# Altium PCB BEAGLEPLAYV020_220915.brd.PcbDoc (part 3 of 12) (continued)
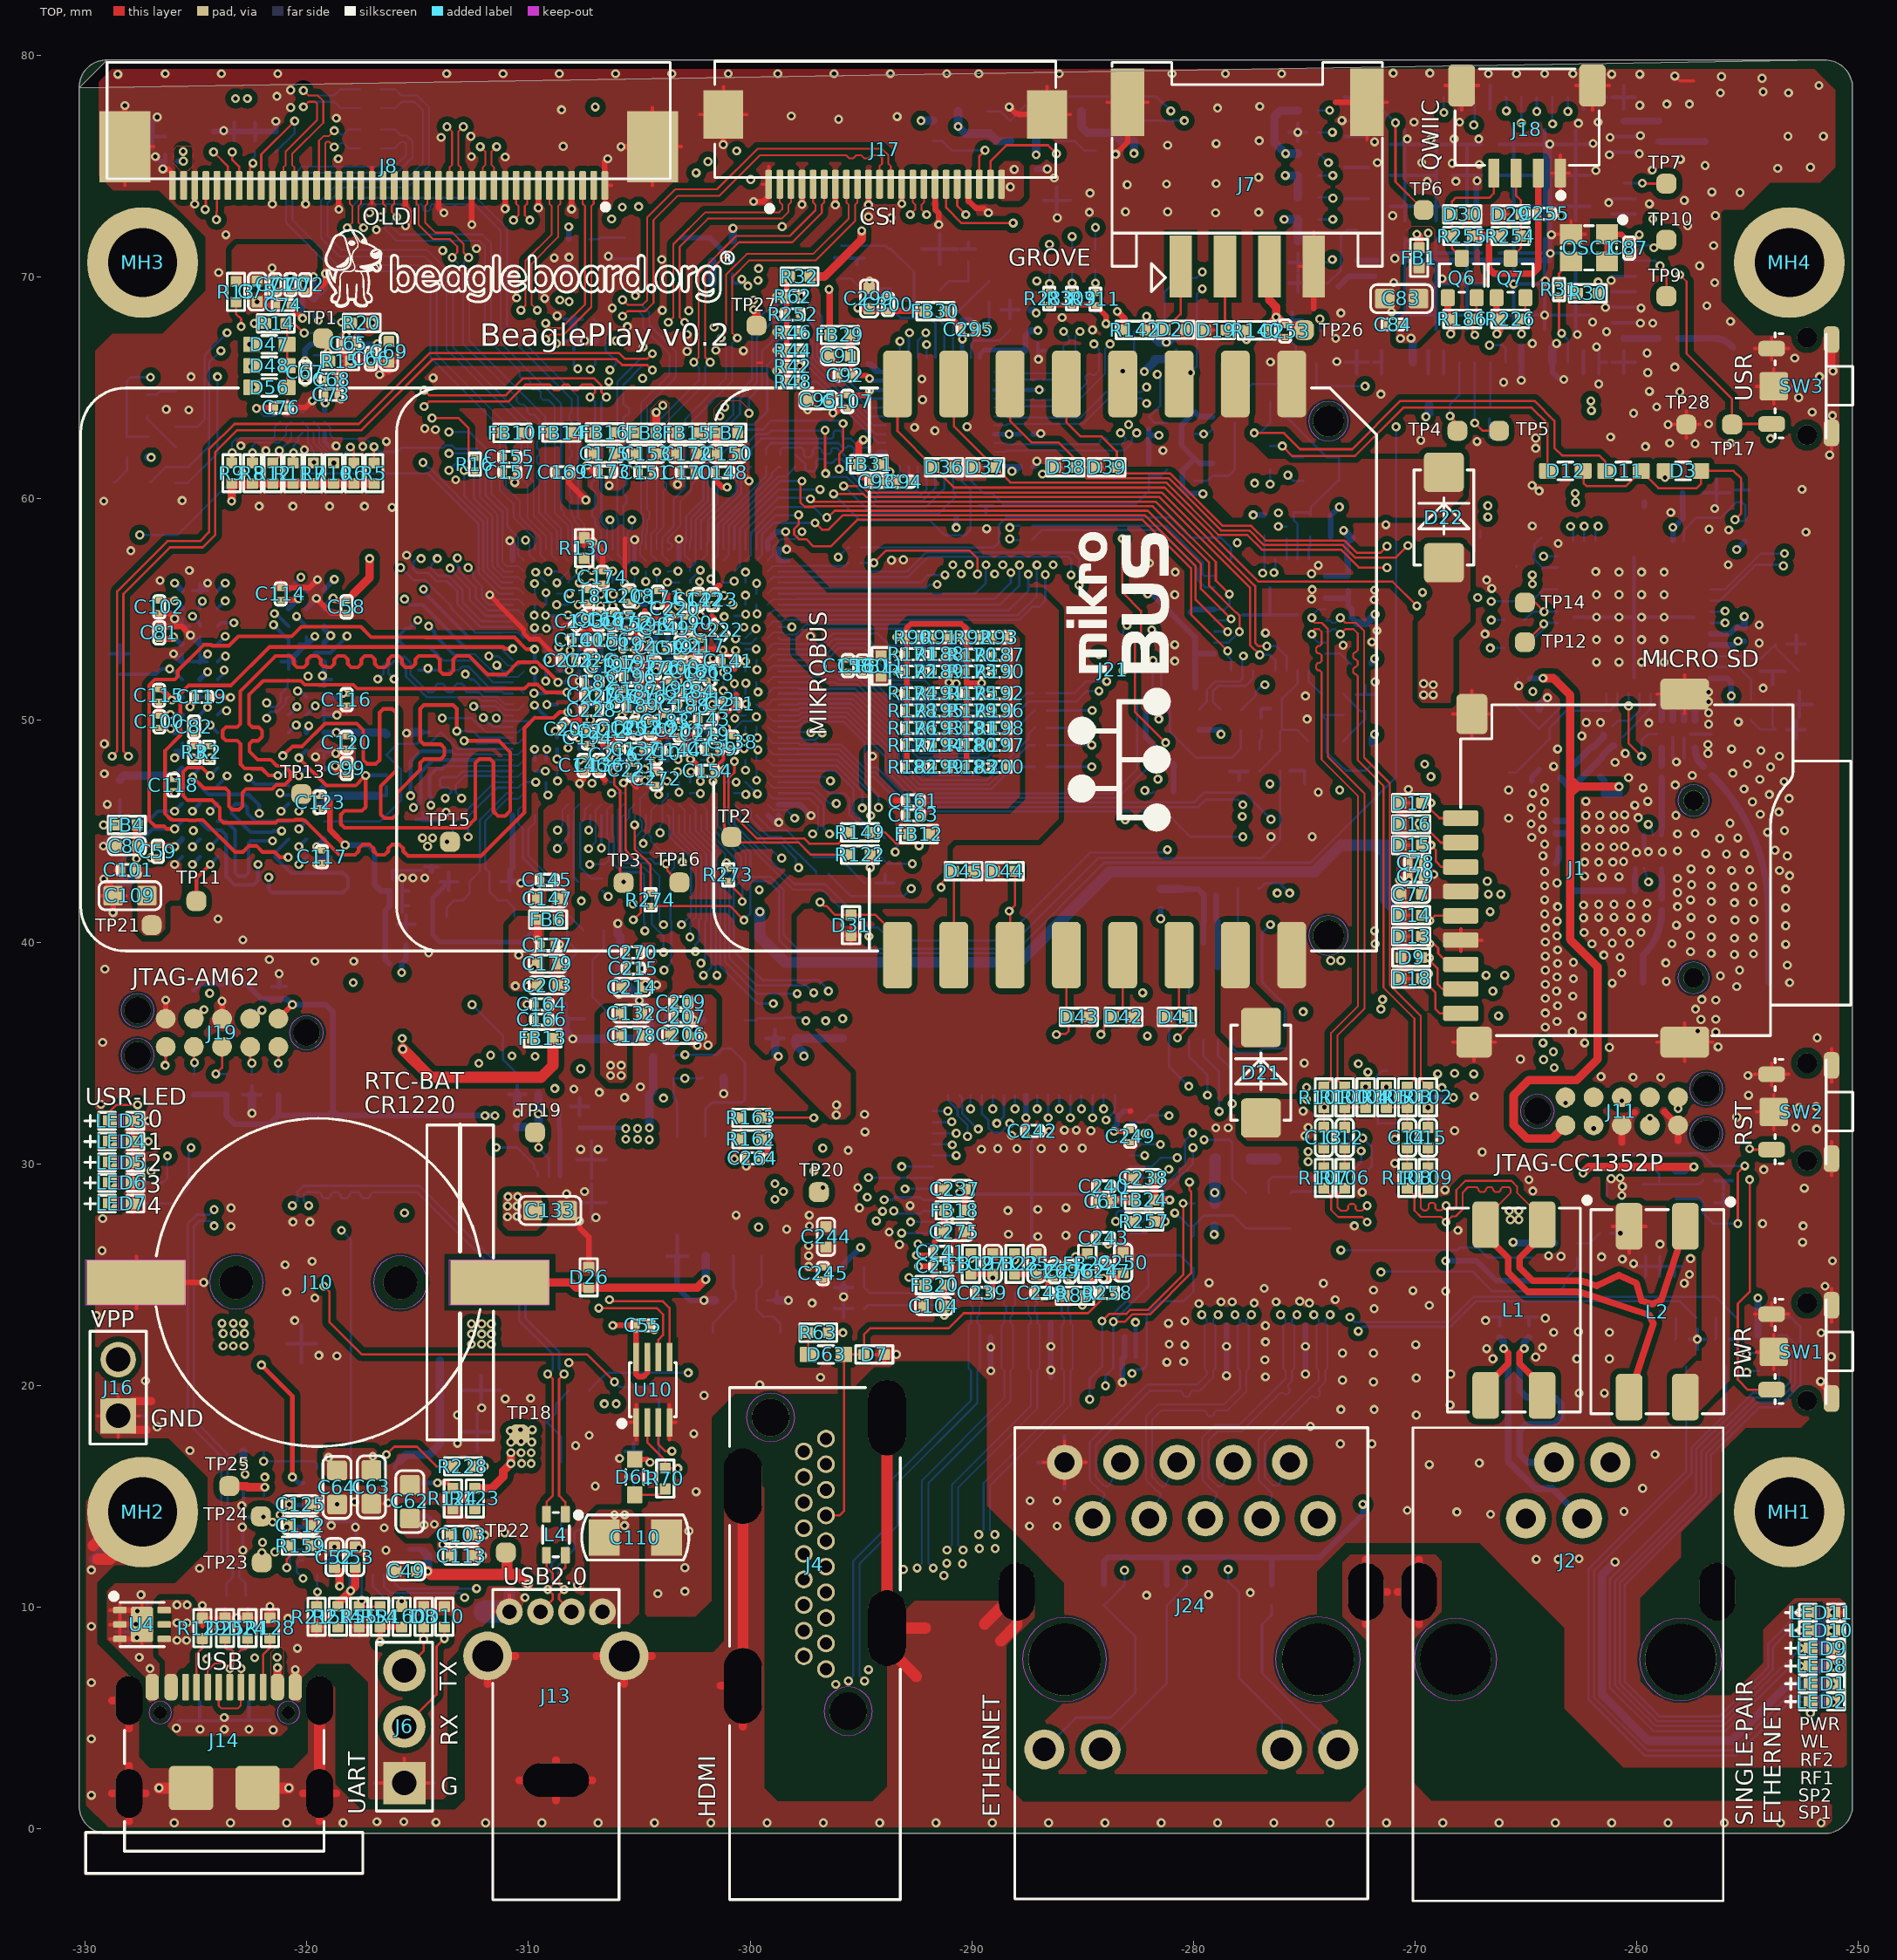
[diagram p0: TOP view]
## Footprints (in the part's own frame and the unit in brackets; to place one, negate y for a bottom-side part, rotate by r counter-clockwise, add the part's x,y. Pads: shape width x height; smd on the part's side, far side on the other; paste and mask are expansions set on the pad) (continued)
  rrect67% 1.2x0.6 smd: B1(3.733,-3.136) B4(3.733,-2.337) B9(3.733,2.464) B12(3.733,3.313)
  oval 2.2x1.2 hole 1.2 slot 2.2 at 0 deg: S1(-1.067,4.363) S2(3.133,4.363) S3(-1.067,-4.236) S4(3.133,-4.236)
  rrect20% 2x2 smd: S5(-0.817,1.564) S6(-0.817,-1.437)
  round 0.6 hole 0.6 unplated: ""(2.583,2.954) ""(2.583,-2.827)
  Multi-Layer keep-out region: 2.583,-3.336 2.778,-3.298 2.944,-3.187 3.054,-3.022 3.093,-2.826 3.054,-2.631 3.017,-2.576 3.017,-2.576 2.944,-2.466 2.778,-2.355 2.583,-2.317 2.388,-2.355 2.222,-2.466 2.149,-2.576 2.149,-2.576 2.112,-2.631 2.073,-2.826 2.112,-3.022 2.222,-3.187 2.388,-3.298 2.583,-3.336
  Multi-Layer keep-out region: 2.583,2.444 2.778,2.482 2.944,2.593 3.054,2.758 3.093,2.953 3.054,3.149 3.017,3.204 3.017,3.204 2.944,3.314 2.778,3.425 2.583,3.463 2.388,3.425 2.222,3.314 2.149,3.204 2.149,3.204 2.112,3.149 2.073,2.953 2.112,2.758 2.222,2.593 2.388,2.482 2.583,2.444
  silkscreen extent -4.67,-6.19 1.78,6.31, body extent -3.68,-4.51 3.68,4.51, height 3.81
USB7P_1R4_14X5R72MM [mm] "USB7P_1R4_14X5R72MM"
  round 1.2 hole 0.65: 1(6.032,-2.1) 2(6.032,-0.7) 3(6.032,0.7) 4(6.032,2.1)
  round 2.2 hole 1.4: 5(4.033,-3.08) 6(4.033,3.08)
  oval 1.5x2.972 hole 1.5 slot 2.972 at 90 deg: 7(-1.567,0)
  silkscreen extent -6.97,-2.85 7.03,2.85, body extent -6.92,-2.79 6.92,2.79, height 3.81
USON10_0D5_2D5X1X0D5MM [mm] "USON10_0D5_2D5X1X0D5MM"
  oval 0.2x0.7 smd: 1(-1,-0.45) 2(-0.5,-0.45) 4(0.5,-0.45) 5(1,-0.45) 6(1,0.45) 7(0.5,0.45) 9(-0.5,0.45) 10(-1,0.45)
  rrect50% 0.4x0.7 smd: 3(0,-0.45) 8(0,0.45)
  silkscreen extent -1.65,-0.89 1.25,0.5, body extent -1.27,-0.51 1.27,0.51, height 3.81
VQFN32_0D5_5X5MM [mil] "VQFN32_0D5_5X5MM"
  rrect50% 9.84x23.62 smd: 1(68.95,99) 2(49.25,99) 3(29.55,99) 4(9.85,99) 5(-9.85,99) 6(-29.55,99) 7(-49.25,99) 8(-68.95,99) 17(-68.95,-99) 18(-49.25,-99) 19(-29.55,-99) 20(-9.85,-99) 21(9.85,-99) 22(29.55,-99) 23(49.25,-99) 24(68.95,-99)
  rrect50% 23.62x9.84 smd: 9(-99,68.95) 10(-99,49.25) 11(-99,29.55) 12(-99,9.85) 13(-99,-9.85) 14(-99,-29.55) 15(-99,-49.25) 16(-99,-68.95) 25(99,-68.95) 26(99,-49.25) 27(99,-29.55) 28(99,-9.85) 29(99,9.85) 30(99,29.55) 31(99,49.25) 32(99,68.95)
  rrect50% 84.24x84.24 smd: 33(0,0)
  silkscreen extent -101,-101 115,120, body extent -100,-100 100,100, height 150
VSON6_0D5_1D5X1D5X1MM [mm] "VSON6_0D5_1D5X1D5X1MM"
  rrect50% 0.6x0.25 smd: 1(0.529,-0.291) 2(0.529,0.209) 3(0.529,0.709)
  rect 1x0.2 smd: 4(-0.572,0.709) 5(-0.572,0.209) 6(-0.572,-0.291)
  silkscreen extent -0.88,-0.93 1.02,0.97, body extent -1.12,-1.03 1.12,1.03, height 3.81
VSSOP8_0D65_3X3X1_1MM [mm] "VSSOP8_0D65_3X3X1_1MM"
  rrect50% 0.45x1.3 smd: 1(-0.975,-2.2) 2(-0.325,-2.2) 3(0.325,-2.2) 4(0.975,-2.2) 5(0.975,2.2) 6(0.325,2.2) 7(-0.325,2.2) 8(-0.975,2.2)
  silkscreen extent -2.03,-2.03 1.52,1.4, body extent -1.52,-1.52 1.52,1.52, height 3.81
WSON6_0D65_2X2X0_8MM#1 [mm] "WSON6_0D65_2X2X0_8MM"
  rrect33% 0.6x0.3 smd: 1(-1,0.65) 2(-1,0) 3(-1,-0.65) 4(1,-0.65) 5(1,0) 6(1,0.65)
  rrect20% 1x1.6 smd: 7(0,0)
  silkscreen extent -1.4,-1 1,1.4
WSON6_0D65_2X2X0_8MM#2 [mm] "WSON6_0D65_2X2X0_8MM"
  rrect50% 0.6x0.3 smd: 1(1,-0.65) 2(1,0) 3(1,0.65) 4(-1,0.65) 5(-1,0) 6(-1,-0.65)
  rrect50% 1x1.6 smd: 7(0,0)
  silkscreen extent -1,-1.4 1.4,1
WSON6_0D65_2X2X0_8MM#3 [mm] "WSON6_0D65_2X2X0_8MM"
  rrect50% 0.6x0.3 smd: 1(-1,0.65) 2(-1,0) 3(-1,-0.65) 4(1,-0.65) 5(1,0) 6(1,0.65)
  rrect50% 1x1.6 smd: 7(0,0)
  silkscreen extent -1.4,-1 1,1.4, body extent -1.02,-1.02 1.02,1.02, height 3.81
X1SON2_0D65_1X0_6X0_45MM#1 [mm] "X1SON2_0D65_1X0_6X0_45MM"
  rrect50% 0.3x0.55 smd: 1(-0.35,0) 2(0.35,0)
  silkscreen extent -0.13,-0.3 0.13,0.3, body extent -0.38,-0.38 0.38,0.38, height 3.81
X1SON2_0D65_1X0_6X0_45MM#2 [mm] "X1SON2_0D65_1X0_6X0_45MM"
  rrect50% 0.3x0.55 smd: 1(0.35,0) 2(-0.35,0)
  silkscreen extent -0.13,-0.3 0.13,0.3
X2_SMD_3_2X1_5MM#1 [mil] "X2_SMD_3_2X1_5MM"
  rrect50% 30x60 smd: 1(60,0) 2(-60,0)
  silkscreen extent -35,-30 35,30
X2_SMD_3_2X1_5MM#2 [mil] "X2_SMD_3_2X1_5MM"
  rrect50% 30x60 smd: 1(-60,0) 2(60,0)
  silkscreen extent -35,-30 35,30, body extent -65,-30 65,30, height 150
X4-SMD-2_5X2_0X1_0MM [mm] "X4-SMD-2_5X2_0X1_0MM"
  rect 1x0.9 smd: 1(-0.813,-0.612) 2(0.813,-0.612) 3(0.813,0.612) 4(-0.813,0.612)
  silkscreen extent -1.65,-1.4 1.25,1, body extent -1.2,-1 1.2,1, height 3.81
X4-SMD-3_2X2_5X1_0MM [mil]
  rect 52x42 smd: 1(-45.28,-36.42) 2(45.28,-36.42) 3(45.28,36.42) 4(-45.28,36.42)
  TOP keep-out region: -19.55,58 -71.55,58 -71.55,15 -67.55,15 -19.55,15
  TOP keep-out region: 71,-14.84 19,-14.84 19,-57.84 23,-57.84 71,-57.84
  TOP keep-out region: 71,58 19,58 19,15 23,15 71,15
  TOP keep-out region: -19.55,-14.84 -71.55,-14.84 -71.55,-57.84 -67.55,-57.84 -19.55,-57.84
  silkscreen extent -90,-49 63,49, body extent -63,-49 63,49, height 24
X4_SMD_2_0X1_6MM [mil] "X4_SMD_2_0X1_6MM"
  rrect50% 35.42x31.5 smd: 1(29.53,23.62) 2(-29.53,23.62) 3(-29.53,-23.62) 4(29.53,-23.62)
  silkscreen extent -39,-32 60,50
X4_SMD_2_5X2_0MM [mm] "X4_SMD_2_5X2_0MM"
  rrect50% 1x0.9 smd: 1(-0.95,-0.814) 2(0.95,-0.814) 3(0.95,0.687) 4(-0.95,0.687)
  silkscreen extent -1.27,-1.71 1.25,0.94, body extent -1.27,-0.95 1.27,0.95, height 3.81

## Via types
v1: diameter 0.406/0/0.406/0/0/0/0/0.406 (per signal layer), hole 0.203, TOP to BOTTOM, 334 vias
v2: diameter 0.406/0.406/0/0/0/0/0.406/0.406 (per signal layer), hole 0.203, TOP to BOTTOM, 282 vias
v3: diameter 0.406/0/0/0/0/0.406/0/0.406 (per signal layer), hole 0.203, TOP to BOTTOM, 255 vias
v4: diameter 0.406/0.406/0/0/0/0.406/0.406/0.406 (per signal layer), hole 0.203, TOP to BOTTOM, 253 vias
v5: diameter 0.406, hole 0.203, TOP to BOTTOM, 212 vias
v6: diameter 0.406/0.406/0.406/0/0/0.406/0.406/0.406 (per signal layer), hole 0.203, TOP to BOTTOM, 173 vias
v7: diameter 0.406/0/0/0.406/0/0/0/0.406 (per signal layer), hole 0.203, TOP to BOTTOM, 131 vias
v8: diameter 0.406/0/0/0/0.406/0/0/0.406 (per signal layer), hole 0.203, TOP to BOTTOM, 98 vias
v9: diameter 0.406/0.406/0/0.406/0/0/0.406/0.406 (per signal layer), hole 0.203, TOP to BOTTOM, 93 vias
v10: diameter 0.406/0/0.406/0/0/0.406/0/0.406 (per signal layer), hole 0.203, TOP to BOTTOM, 87 vias
v11: diameter 0.406/0.406/0/0.406/0/0.406/0.406/0.406 (per signal layer), hole 0.203, TOP to BOTTOM, 44 vias
v12: diameter 0.406/0.406/0.406/0.406/0/0.406/0.406/0.406 (per signal layer), hole 0.203, TOP to BOTTOM, 40 vias
v13: diameter 0.406/0.406/0.406/0/0/0/0.406/0.406 (per signal layer), hole 0.203, TOP to BOTTOM, 19 vias
v14: diameter 0.406/0/0/0.406/0/0.406/0/0.406 (per signal layer), hole 0.203, TOP to BOTTOM, 15 vias
v15: diameter 0.406/0/0/0/0.406/0.406/0/0.406 (per signal layer), hole 0.203, TOP to BOTTOM, 13 vias
v16: diameter 0.406/0/0.406/0/0.406/0/0/0.406 (per signal layer), hole 0.203, TOP to BOTTOM, 3 vias
v17: diameter 0.406/0/0.406/0.406/0/0/0/0.406 (per signal layer), hole 0.203, TOP to BOTTOM, 3 vias
v18: diameter 0.406/0.406/0.406/0.406/0/0/0.406/0.406 (per signal layer), hole 0.203, TOP to BOTTOM, 1 vias

## Nets (pads, with @x,y where several pads share a name; then routed paths per layer and width w, separated by ;. In a path a pad name is that pad's centre, name@x,y a point inside that pad or via, vN(x,y) a via of type N, cw(c..) or ccw(c..) an arc to the next point about the centre after c; other vN are vias at no path point)
AVDD10: C295.1 C296.1 C297.1 C298.1 FB30.1 U6.3 U6.8 U6.38 | length 6.1
  TOP w0.254: C295.1@-290.441,67.629 -290.441,67.226 v7(-290.424,67.208)
  TOP w0.305: FB30.1@-291.188,68.464 -291.188,68.376 C295.1@-290.441,67.629
  BOTTOM w0.203: U6.38@-290.443,66.367 -290.443,67.189 v7(-290.424,67.208) -290.441,67.226 C298.1@-290.441,67.509 ; U6.8@-288.993,62.917 v7(-288.316,62.917) C296.1@-287.807,62.917 ; U6.3@-288.993,64.917 v7(-286.964,64.917) C297.1@-286.766,64.917
AVDD33: C108.1 C294.1 FB32.1 U6.11 U6.40 | length 5.9
  BOTTOM w0.203: U6.11@-289.643,61.467 -289.639,61.463 C294.1@-287.807,61.463 ; U6.40@-289.643,66.367 -289.643,66.508 -289.44,66.711 -287.616,66.711 C108.1@-287.583,66.677
  BOTTOM w0.254: v7(-288.188,61.239) -288.031,61.239 C294.1@-287.807,61.463 ; C108.1@-287.583,66.677 -287.583,67.347 FB32.1@-287.34,67.589
  BOTTOM w0.305: FB32.1@-287.34,67.589 v7(-287.02,67.589)
BL_EN_3V3: J8.32 R241.1 U1.H24 | length 98
  TOP w0.102: J8.32@-322.056,74.131 -322.056,75.53 v3(-320.548,77.038)
  LYR3 w0.097: v10(-301.904,75.209) -301.564,75.209 -301.437,75.336 -287.858,75.336 -287.02,74.498 -287.02,71.171 -286.639,70.79 -284.074,70.79 -282.55,69.266 -282.55,67.412 -280.416,65.278 -280.416,61.9 -277.647,59.131 -277.647,56.261 -277.119,55.733 -277.119,53.377 -277.396,53.1 -277.396,51.717 -277.19,51.511 -277.19,48.692 -277.774,48.108 v1(-277.774,46.203)
  LAY6 w0.097: v3(-320.548,77.038) -320.548,76.178 -319.275,74.905 -302.971,74.905 -302.666,75.209 v10(-301.904,75.209)
  BOTTOM w0.081: U1.H24@-299.211,49.22 -298.962,48.971 -297.789,48.971
  BOTTOM w0.102: R241.1@-321.399,75.645 -320.548,76.495 v3(-320.548,77.038) ; -297.789,48.971 -297.734,48.915 -295.908,48.915 -294.668,47.676 -294.363,47.676 -292.788,46.101 -279.781,46.101 -279.451,46.431 -278.003,46.431 v1(-277.774,46.203)
BL_PWM_3V3: J8.33 R240.1 R244.1 | length 67.9
  TOP w0.102: J8.33@-322.556,74.131 -322.556,75.057 -322.46,75.153 -322.449,75.153 v3(-322.43,75.134)
  LAY6 w0.097: v3(-322.43,75.134) -322.43,74.794 -322.326,74.689 -322.326,71.222 -327.462,66.086 -327.462,58.973 -328.625,57.809 -328.625,49.703 -327.69,48.768 -327.69,46.146 -328.32,45.516 -328.32,42.851 -323.29,37.821 -313.69,37.821 -313.055,38.456 -304.165,38.456 v3(-303.886,38.735)
  BOTTOM w0.102: v3(-322.43,75.134) -322.43,75.359 -322.339,75.451 R240.1@-322.339,75.645 ; v3(-303.886,38.735) -303.555,39.065 -303.555,40.94 -303.601,40.985 R244.1@-303.601,42.307
BOOTMODE2: R181.2 R198.1 U1.N24 | length 11.9
  TOP w0.102: R181.2@-289.686,49.664 v5(-289.355,49.664) R198.1@-289.019,49.664
  BOTTOM w0.081: U1.N24@-299.211,51.719 -298.962,51.968 -297.713,51.968
  BOTTOM w0.102: -297.713,51.968 -296.129,51.968 -296.002,51.841 -295.088,51.841 -292.523,49.276 -289.743,49.276 v5(-289.355,49.664)
BOOTMODE3: D66.1 R180.2 R197.1 U1.N25 | length 85.8
  TOP w0.102: R180.2@-289.686,48.891 v5(-289.355,48.891) R197.1@-289.019,48.891
  LYR3 w0.097: v10(-299.618,70.383) -299.466,70.536 -290.935,70.536 -288.442,68.044 -288.442,64.719 -289.219,63.943 -289.219,59.958 -288.62,59.36 -286.951,59.36 -285.77,58.179 -285.767,58.179 -285.079,57.491 -285.079,57.489 -284.15,56.559 -284.15,53.619 -283.916,53.386 -283.916,52.812 -284.269,52.459 v1(-284.269,51.333)
  LAY6 w0.097: v3(-323.875,66.675) -323.875,67.015 -324.002,67.142 -324.002,67.97 -322.707,69.266 -313.283,69.266 -311.254,71.295 -303.705,71.295 -303.098,70.688 -299.923,70.688 v10(-299.618,70.383)
  BOTTOM w0.102: D66.1@-327.065,60.758 -327.034,60.758 -326.349,61.443 -325.323,61.443 -324.409,62.357 -324.409,66.142 v3(-323.875,66.675) ; U1.N25@-298.711,51.719 -296.168,51.719 -296.087,51.638 -295.172,51.638 -292.43,48.896 -292.43,48.612 -292.329,48.51 -289.736,48.51 v5(-289.355,48.891) -289.355,48.947 -287.452,50.851 -285.293,50.851 -284.81,51.333 v1(-284.269,51.333)
BOOTMODE4: R179.2 R196.1 U1.P24 | length 11.5
  TOP w0.102: R179.2@-289.686,50.451 v5(-289.357,50.451) R196.1@-289.019,50.451
  BOTTOM w0.081: U1.P24@-299.211,52.219 -298.962,52.468 -297.866,52.468
  BOTTOM w0.102: -297.866,52.468 -296.054,52.468 -295.834,52.248 -294.919,52.248 -293.522,50.851 -291.871,50.851 -291.472,50.451 v5(-289.357,50.451)
BOOTMODE5: R178.2 R195.1 U1.P22 | length 11
  TOP w0.102: R178.2@-292.377,50.451 v3(-292.056,50.451) R195.1@-291.729,50.451
  LAY6 w0.097: -297.104,52.671 -296.173,52.671 -295.735,53.109 -294.942,53.109 -294.665,52.832 -294.665,51.968 -293.148,50.451 v3(-292.056,50.451)
  LAY6 w0.102: v3(-300.211,52.671) -297.104,52.671
  BOTTOM w0.102: U1.P22@-300.211,52.219 v3(-300.211,52.671)
BOOTMODE7: R176.2 R193.1 U1.R23 | length 9.8
  TOP w0.102: R176.2@-292.377,49.664 v3(-292.056,49.664) R193.1@-291.729,49.664
  LAY6 w0.097: -297.104,52.29 -295.268,52.29 -293.23,50.253 ; -293.229,50.253 -292.64,49.664 v3(-292.056,49.664)
  LAY6 w0.102: v3(-299.693,52.29) -297.104,52.29
  BOTTOM w0.102: U1.R23@-299.711,52.719 -299.711,52.341 -299.695,52.324 -299.695,52.292 v3(-299.693,52.29)
BOOTMODE8: R175.2 R192.1 R271.1 U1.R24 | length 12.4
  TOP w0.102: R175.2@-289.686,51.223 v5(-289.357,51.223) R192.1@-289.019,51.223
  BOTTOM w0.081: U1.R24@-299.211,52.719 -298.96,52.971 -297.942,52.971
  BOTTOM w0.102: -297.942,52.971 -296.584,52.971 -296.088,53.467 -294.775,53.467 -293.736,52.428 -293.736,51.979 -293.573,51.816 -292.125,51.816 -291.033,50.724 -290.185,50.724 R271.1@-289.686,51.223 v5(-289.357,51.223)
BOOTMODE9: R174.2 R191.1 R270.1 U1.R25 | length 8.6
  TOP w0.102: R174.2@-292.377,51.223 v5(-292.049,51.223) R191.1@-291.729,51.223
  BOTTOM w0.102: U1.R25@-298.711,52.719 -296.548,52.719 -296.003,53.264 -294.859,53.264 -293.939,52.343 -293.939,51.894 -293.658,51.613 -292.767,51.613 R270.1@-292.377,51.223 v5(-292.049,51.223)
BOOTMODE10: R173.2 R190.1 R216.1 U1.T25 | length 10.8
  TOP w0.102: R173.2@-289.686,52.205 v5(-289.357,52.205) R190.1@-289.019,52.205
  BOTTOM w0.102: U1.T25@-298.711,53.22 -296.675,53.22 -296.224,53.67 -294.691,53.67 -293.624,52.603 -290.085,52.603 R216.1@-289.686,52.205 v5(-289.357,52.205)
BOOTMODE11: D23.1 R172.2 R189.1 R266.1 U1.R21 | length 91.7
  TOP w0.102: R172.2@-292.377,52.205 v3(-292.049,52.205) R189.1@-291.729,52.205
  LYR3 w0.097: v10(-299.974,74.397) -299.491,74.879 -290.652,74.879 -288.696,72.923 -288.696,70.536 -286.532,68.372 -286.532,62.077 -285.928,61.472 -285.928,60.074 -282.961,57.107 -282.961,55.403 -282.453,54.895 -282.453,53.503 v10(-282.204,53.254)
  LAY6 w0.097: v3(-324.028,65.507) -324.612,66.091 -324.612,67.945 -321.386,71.171 -315.671,71.171 -315.163,71.679 -305.029,71.679 -303.606,73.101 -301.269,73.101 v10(-299.974,74.397) ; -297.104,52.884 -296.416,52.884 -295.867,53.434 -294.429,53.434 -293.599,52.603 -292.448,52.603 v3(-292.049,52.205) -291.65,52.603 -282.854,52.603 v10(-282.204,53.254)
  LAY6 w0.102: v3(-300.66,53.162) -300.645,53.177 -300.158,53.177 -299.866,52.884 -297.104,52.884
  BOTTOM w0.102: D23.1@-325.899,60.716 -325.371,60.716 -324.028,62.059 v3(-324.028,65.507) ; U1.R21@-300.711,52.719 -300.711,53.111 v3(-300.66,53.162) ; R266.1@-292.377,52.205 v3(-292.049,52.205)
BOOTMODE12: R171.2 R188.1 R267.1 U1.T22 | length 9.6
  TOP w0.102: R171.2@-292.377,52.992 v3(-292.049,52.992) R188.1@-291.729,52.992
  LAY6 w0.097: -297.104,53.22 -296.462,53.22 -296.012,53.67 -294.005,53.67 -293.7,53.365 -292.423,53.365 v3(-292.049,52.992)
  LAY6 w0.102: v3(-299.727,53.22) -297.104,53.22
  BOTTOM w0.102: U1.T22@-300.211,53.22 v3(-299.727,53.22) ; R267.1@-292.377,52.992 v3(-292.049,52.992)
BOOTMODE13: D49.1 R170.2 R187.1 R268.1 U1.T24 | length 79.1
  TOP w0.102: R170.2@-289.686,52.967 v3(-289.357,52.967) R187.1@-289.019,52.967
  LYR3 w0.097: v10(-299.644,69.85) -299.542,69.85 -299.136,70.256 -290.936,70.256 -288.773,68.093 -288.773,64.669 -289.458,63.984 -289.458,59.665 -288.874,59.08 -286.952,59.08 -286.901,59.03 ; -286.402,58.53 -286.901,59.03 ; v10(-284.269,52.967) -284.269,53.332 -284.348,53.411 -284.348,56.477 -285.278,57.406 -285.278,57.409 -285.85,57.981 -285.852,57.981 -286.901,59.03
  LAY6 w0.097: v3(-323.596,67.488) -323.596,67.996 -323.088,68.504 -313.741,68.504 -311.808,70.437 -300.281,70.437 -299.695,69.85 v10(-299.644,69.85) ; v3(-289.357,52.967) v10(-284.269,52.967)
  BOTTOM w0.081: U1.T24@-299.211,53.22 -298.962,53.469 -297.904,53.469 -297.893,53.458
  BOTTOM w0.102: D49.1@-325.899,63.252 -324.936,63.252 -324.612,63.576 -324.612,66.472 v3(-323.596,67.488) ; -297.893,53.458 -296.724,53.458 -296.253,53.929 -294.264,53.929 -293.713,53.378 -290.097,53.378 R268.1@-289.686,52.967 v3(-289.357,52.967)
BOOTMODE14: R90.2 R91.1 R269.1 U1.U25 | length 7.7
  TOP w0.102: R90.2@-292.377,53.754 v5(-292.049,53.754) R91.1@-291.729,53.754
  BOTTOM w0.102: U1.U25@-298.711,53.719 -298.633,53.641 -297.92,53.641 -297.429,54.132 -292.755,54.132 R269.1@-292.377,53.754 v5(-292.049,53.754)
BOOTMODE15: R92.2 R93.1 R230.1 U1.U24 | length 11.1
  TOP w0.102: R92.2@-289.686,53.749 v5(-289.357,53.749) R93.1@-289.019,53.749
  BOTTOM w0.081: U1.U24@-299.211,53.719 -298.961,53.97 -298.521,53.97 -298.425,53.873 -297.932,53.873 -297.709,54.097 -297.709,54.107 -297.48,54.336
  BOTTOM w0.102: -297.48,54.336 -290.273,54.336 R230.1@-289.686,53.749 v5(-289.357,53.749)
BT_AUD_OUT: R17.1 U5.57 | length 3.6
  BOTTOM w0.102: R17.1@-274.36,69.731 -273.931,69.731 -273.355,70.307 -273.355,71.857 -273.075,72.136 U5.57@-272.64,72.136
BT_EN: R28.1 U5.41 | length 2.1
  BOTTOM w0.102: R28.1@-266.649,64.115 -266.615,64.149 U5.41@-266.615,66.161
BT_UART_DBG: R19.1 TP4.1 U5.43 | length 3.4
  TOP w0.102: v5(-268.427,63.729) -268.097,63.398 TP4.1@-268.097,63.068
  BOTTOM w0.102: v5(-268.427,63.729) -268.447,63.749 R19.1@-268.447,64.237 -268.015,64.669 U5.43@-268.015,66.161
CAM_CK_N: J17.8 U1.AD15 | length 22.5
  TOP w0.084: v5(-301.316,67.252) -301.092,67.476 -301.092,70.104 -300.152,71.044 -297.155,71.044 -295.555,72.644 -295.555,73.261 -295.661,73.367 J17.8@-295.661,74.187
  BOTTOM w0.081: -303.962,57.469 -303.962,58.235 -303.445,58.752 -303.445,59.191 ; -303.961,57.469 U1.AD15@-303.711,57.22
  BOTTOM w0.084: -303.445,59.191 -303.445,59.988 -302.929,60.504 -302.929,63.593 -301.092,65.431 -301.092,67.027 v5(-301.316,67.252)
CAM_CK_P: J17.9 U1.AE15 | length 22.5
  TOP w0.084: v5(-300.58,67.252) -300.805,67.476 -300.805,69.985 -300.032,70.757 -297.036,70.757 -295.268,72.525 -295.268,73.261 -295.161,73.368 J17.9@-295.161,74.187
  BOTTOM w0.081: U1.AE15@-303.711,57.719 -303.621,57.719 -303.53,57.81 -303.53,57.937 -303.606,58.014 -303.682,58.014 -303.733,58.064 -303.733,58.184 -303.158,58.759 -303.158,59.184
  BOTTOM w0.084: -303.158,59.184 -303.158,59.869 -302.642,60.385 -302.642,60.63 -302.49,60.782 -302.49,60.935 -302.642,61.087 -302.642,61.265 -302.49,61.417 -302.49,61.57 -302.642,61.722 -302.642,63.474 -300.805,65.312 -300.805,67.027 v5(-300.58,67.252)
CAM_D0_N: J17.2 U1.AB14 | length 22.5
  TOP w0.084: v1(-303.691,67.963) -303.466,68.188 -303.466,71.48 -302.024,72.923 -298.696,72.923 -298.555,73.065 -298.555,73.261 -298.661,73.367 J17.2@-298.661,74.187
  LYR3 w0.076: v1(-304.211,56.711) -303.918,57.004 -303.918,62.799 -303.454,63.264 -303.454,67.725 v1(-303.691,67.963)
  BOTTOM w0.084: U1.AB14@-304.211,56.219 v1(-304.211,56.711)
CAM_D0_P: J17.3 U1.AC15 | length 22.5
  TOP w0.084: v1(-302.955,67.963) -303.179,68.188 -303.179,71.361 -301.904,72.636 -298.577,72.636 -298.268,72.946 -298.268,73.261 -298.161,73.368 J17.3@-298.161,74.187
  LYR3 w0.076: v1(-303.254,56.735) -303.656,57.138 -303.656,62.691 -303.192,63.155 -303.192,67.725 v1(-302.955,67.963)
  BOTTOM w0.084: U1.AC15@-303.711,56.72 -303.269,56.72 v1(-303.254,56.735)
CAM_D1_N: J17.5 U1.AD14 | length 21.8
  TOP w0.084: v5(-302.543,66.159) -302.318,66.384 -302.318,70.173 -300.635,71.857 -298.214,71.857 -297.055,73.016 -297.055,73.261 -297.161,73.368 J17.5@-297.161,74.187
  BOTTOM w0.081: U1.AD14@-304.211,57.22 -304.46,57.469 -304.462,57.469 -304.462,58.42 -304.211,58.671
  BOTTOM w0.084: -304.211,58.671 -304.211,63.428 -302.311,65.329 -302.311,65.927 v5(-302.543,66.159)
CAM_D1_P: J17.6 U1.AE14 | length 21.7
  TOP w0.084: v5(-301.807,66.159) -302.031,66.384 -302.031,70.054 -300.516,71.57 -298.094,71.57 -296.768,72.896 -296.768,73.261 -296.661,73.368 J17.6@-296.661,74.187
  BOTTOM w0.081: U1.AE14@-304.211,57.719 -304.211,58.417 -303.924,58.704
  BOTTOM w0.084: -303.924,58.704 -303.924,60.335 -303.784,60.476 -303.784,60.671 -303.924,60.811 -303.924,61.006 -303.784,61.146 -303.784,61.341 -303.924,61.481 -303.924,61.677 -303.784,61.817 -303.784,62.012 -303.924,62.152 -303.924,62.347 -303.784,62.487 -303.784,62.682 -303.924,62.823 -303.924,63.309 -302.024,65.21 -302.024,65.942 v5(-301.807,66.159)
CAM_D2_N: J17.11 U1.AD13 | length 31.8
  TOP w0.084: v5(-305.759,68.238) -305.534,68.463 -304.732,68.463 -304.361,68.834 -304.361,72.568 -303.258,73.67 -301.379,73.67 -299.55,75.499 -295.674,75.499 -295.537,75.362 -295.339,75.362 -295.202,75.499 -295.004,75.499 -294.867,75.362 -294.668,75.362 -294.531,75.499 -294.175,75.499 -294.055,75.379 -294.055,75.112 -294.161,75.005 J17.11@-294.161,74.187
  BOTTOM w0.081: -304.825,58.608 -304.825,58.598 -304.878,58.545 -304.878,58.026 -304.96,57.945 -304.96,57.469 U1.AD13@-304.711,57.22
  BOTTOM w0.084: v5(-305.759,68.238) -305.534,68.463 -305.039,68.463 -304.833,68.258 -304.833,67.725 -303.639,66.531 -303.639,65.601 -304.927,64.313 -304.927,59.378 -304.825,59.276 -304.825,58.608
CAM_D2_P: J17.12 U1.AE13 | length 31.9
  TOP w0.084: v5(-305.759,68.975) -305.534,68.75 -304.851,68.75 -304.648,68.953 -304.648,72.687 -303.378,73.957 -301.498,73.957 -299.669,75.786 -294.056,75.786 -293.768,75.498 -293.768,75.112 -293.661,75.005 J17.12@-293.661,74.187
  BOTTOM w0.081: U1.AE13@-304.711,57.719 -304.711,58.428 -304.643,58.497 -304.643,58.513 -304.64,58.516 -304.64,58.582
  BOTTOM w0.084: v5(-305.759,68.975) -305.534,68.75 -304.919,68.75 -304.546,68.377 -304.546,67.844 -303.352,66.65 -303.352,65.482 -304.64,64.194 -304.64,59.497 -304.538,59.395 -304.538,59.131 -304.64,59.03 -304.64,58.582
CAM_D3_N: J17.14 U1.AB12 | length 29.7
  TOP w0.084: v1(-292.779,72.821) -292.555,73.045 -292.555,73.261 -292.661,73.367 J17.14@-292.661,74.187
  LYR3 w0.076: v1(-305.211,56.748) -304.884,57.075 -304.884,61.648 -305.595,62.36 -305.595,67.023 -304.604,68.014 -304.604,69.606 -302.633,71.577 -293.337,71.577 -293.031,71.884 -293.031,71.991 -293.054,72.014 -293.054,72.122 -292.946,72.23 -292.838,72.23 -292.815,72.207 -292.708,72.207 -292.542,72.372 -292.542,72.583 v1(-292.779,72.821)
  BOTTOM w0.084: U1.AB12@-305.211,56.219 v1(-305.211,56.748)
CAM_D3_P: J17.15 U1.AC13 | length 29.8
  TOP w0.084: J17.15@-292.161,74.187 -292.161,73.368 -292.268,73.261 -292.268,73.045 v1(-292.043,72.821)
  LYR3 w0.076: v1(-304.711,56.266) -304.711,56.584 -304.622,56.672 -304.622,61.757 -305.333,62.468 -305.333,66.915 -304.343,67.905 -304.343,69.498 -302.525,71.316 -293.229,71.316 -292.28,72.264 -292.28,72.583 v1(-292.043,72.821)
  BOTTOM w0.081: v1(-304.711,56.266) U1.AC13@-304.711,56.719
CC1: J14.A5 R129.1 | length 2.3
  TOP w0.102: J14.A5@-324.973,6.4 -324.973,7.902 -324.71,8.165 R129.1@-324.71,8.593
CC2: J14.B5 R128.1 | length 2.3
  TOP w0.102: J14.B5@-321.973,6.4 -321.973,7.864 -321.662,8.175 R128.1@-321.662,8.603
CC1352_BOOT: U1.H21 U9.21 | length 45.5
  LAY6 w0.097: -297.104,50.148 -295.719,50.148 -292.511,46.941 -290.497,46.941 -290.018,46.462 -281.046,46.462 -280.645,46.863 -277.139,46.863 -276.388,46.111 -273.268,46.111 -267.654,51.726 -267.654,54.52 -266.802,55.372 v3(-266.573,55.372)
  LAY6 w0.102: v3(-299.72,50.165) -299.703,50.148 -297.104,50.148
  BOTTOM w0.081: U1.H21@-300.711,49.22 -300.711,49.623 -300.364,49.97 -299.915,49.97 v3(-299.72,50.165)
  BOTTOM w0.102: v3(-266.573,55.372) -264.744,55.372 -264.211,55.905 U9.21@-263.577,55.905
CC1352_LED1: R206.1 U9.40 | length 43.9
  LYR3 w0.097: v1(-255.041,20.599) -253.467,22.174 -253.467,24.459 -251.302,26.624 -251.302,54.554 -252.959,56.21 -252.959,57.15 v1(-253.34,57.531)
  BOTTOM w0.102: U9.40@-256.677,55.905 -256.04,55.905 -254.415,57.531 v1(-253.34,57.531) ; v1(-255.041,20.599) -254.978,20.663 R206.1@-254.519,20.663
CC1352_LED2: R236.1 U9.41 | length 42.4
  LYR3 w0.097: v1(-255.067,21.412) -255.041,21.412 -253.771,22.682 -253.771,24.435 -251.5,26.706 -251.5,54.346 -253.39,56.236 v1(-253.39,56.972)
  BOTTOM w0.102: U9.41@-256.677,55.405 -256.253,55.405 -254.635,57.023 -253.441,57.023 v1(-253.39,56.972) ; v1(-255.067,21.412) -255.012,21.467 R236.1@-254.544,21.467
CC1352_RESET_N: C20.1 D3.1 D11.1 D12.1 J11.10 R117.2 U9.35 | length 50.8
  TOP w0.102: D12.1@-262.428,61.256 -262.407,61.236 -262.407,60.706 -262.28,60.579 -260.486,60.579 D11.1@-259.809,61.256 -259.031,60.477 -257.305,60.477 -257.117,60.665 D3.1@-257.117,61.256 -255.642,61.256 -255.295,60.909 -255.295,59.334 v1(-255.575,59.055)
  LYR3 w0.097: v1(-263.22,32.741) -264.869,34.389 -264.869,37.268 -264.536,37.601 -264.536,43.62 -265.278,44.361 -265.278,47.742 -262.626,50.394 -262.626,57.458 -262.019,58.064 -258.267,58.064 -257.2,59.131 -255.651,59.131 v1(-255.575,59.055)
  BOTTOM w0.102: U9.35@-257.877,58.105 -257.877,58.582 -257.327,59.131 -256.235,59.131 -255.529,59.837 C20.1@-255.245,59.837 -255.114,59.706 R117.2@-255.114,59.001 -255.116,59.004 -255.524,59.004 v1(-255.575,59.055)
CC1352_RSTN: D3.2 U1.E24 | length 53.5
  LYR3 w0.097: v10(-264.693,51.308) -264.744,51.359 -264.744,53.061 -263.82,53.985 -263.82,56.327 -264.592,57.099 -264.592,58.293 -263.746,59.139 -259.352,59.139 -258.734,59.757 v1(-258.734,60.96)
  LAY6 w0.097: v3(-296.38,47.274) -295.272,47.274 -294.978,46.98 -293.822,46.98 -292.884,46.042 -291.048,46.042 -290.142,45.136 -273.05,45.136 -272.994,45.192 -272.977,45.192 -267.165,51.003 -264.998,51.003 v10(-264.693,51.308)
  BOTTOM w0.081: U1.E24@-299.211,47.719 -298.96,47.469 -296.647,47.469 -296.453,47.274 v3(-296.38,47.274)
CC1352_TCK: J11.4 U9.25 | length 40.9
  TOP w0.102: J11.4@-259.414,31.739 -259.414,32.051 v1(-259.41,32.055)
  LYR3 w0.097: v1(-262.992,58.75) -263.601,58.75 -263.982,58.369 -263.982,57.759 -263.322,57.099 -263.322,50.775 -263.723,50.373 -266.268,50.373 -266.964,49.677 -266.964,45.063 -265.232,43.331 -265.232,37.89 -265.565,37.557 -265.565,36.34 -266.101,35.804 -266.101,31.609 -265.19,30.698 -263.686,30.698 -262.329,32.055 v1(-259.41,32.055)
  BOTTOM w0.102: v1(-262.992,58.75) -262.877,58.636 U9.25@-262.877,58.105
CC1352_TDI: J11.8 U9.27 | length 38.4
  TOP w0.102: v1(-260.684,32.842) J11.8@-260.684,33.009
  LYR3 w0.097: v1(-261.747,58.76) -262.925,57.582 -262.925,50.546 -263.494,49.977 -265.974,49.977 -266.505,49.446 -266.505,45.164 -264.836,43.495 -264.836,37.725 -265.168,37.392 -265.168,35.999 -265.704,35.463 -265.704,31.773 -265.026,31.095 -263.85,31.095 -262.103,32.842 v1(-260.684,32.842)
  BOTTOM w0.102: U9.27@-261.877,58.105 -261.877,58.544 -261.747,58.674 v1(-261.747,58.76)
CC1352_TDO: J11.6 U9.26 | length 41.3
  TOP w0.102: v1(-258.144,32.489) J11.6@-258.144,33.009
  LYR3 w0.097: v1(-262.377,58.76) -263.124,58.013 -263.124,50.673 -263.621,50.175 -266.141,50.175 -266.703,49.614 -266.703,45.082 -265.034,43.413 -265.034,37.807 -265.366,37.475 -265.366,36.182 -265.902,35.646 -265.902,31.691 -265.108,30.897 -263.768,30.897 -262.176,32.489 v1(-258.144,32.489)
  BOTTOM w0.102: U9.26@-262.377,58.105 v1(-262.377,58.76)
CC1352_TMS: J11.2 U9.24 | length 36.2
  TOP w0.102: J11.2@-261.954,31.739 -261.954,31.602 v1(-261.95,31.598)
  LYR3 w0.097: v1(-264.21,57.405) -263.52,56.716 -263.52,50.957 -263.906,50.571 -266.37,50.571 -267.162,49.779 -267.162,44.981 -265.43,43.248 -265.43,37.972 -265.763,37.639 -265.763,36.472 -266.299,35.936 -266.299,31.526 -265.273,30.5 -263.603,30.5 -262.506,31.598 v1(-261.95,31.598)
  BOTTOM w0.102: v1(-264.21,57.405) U9.24@-263.577,57.405